# Altium PCB EBAZ4205.PcbDoc (part 5 of 6) (continued)
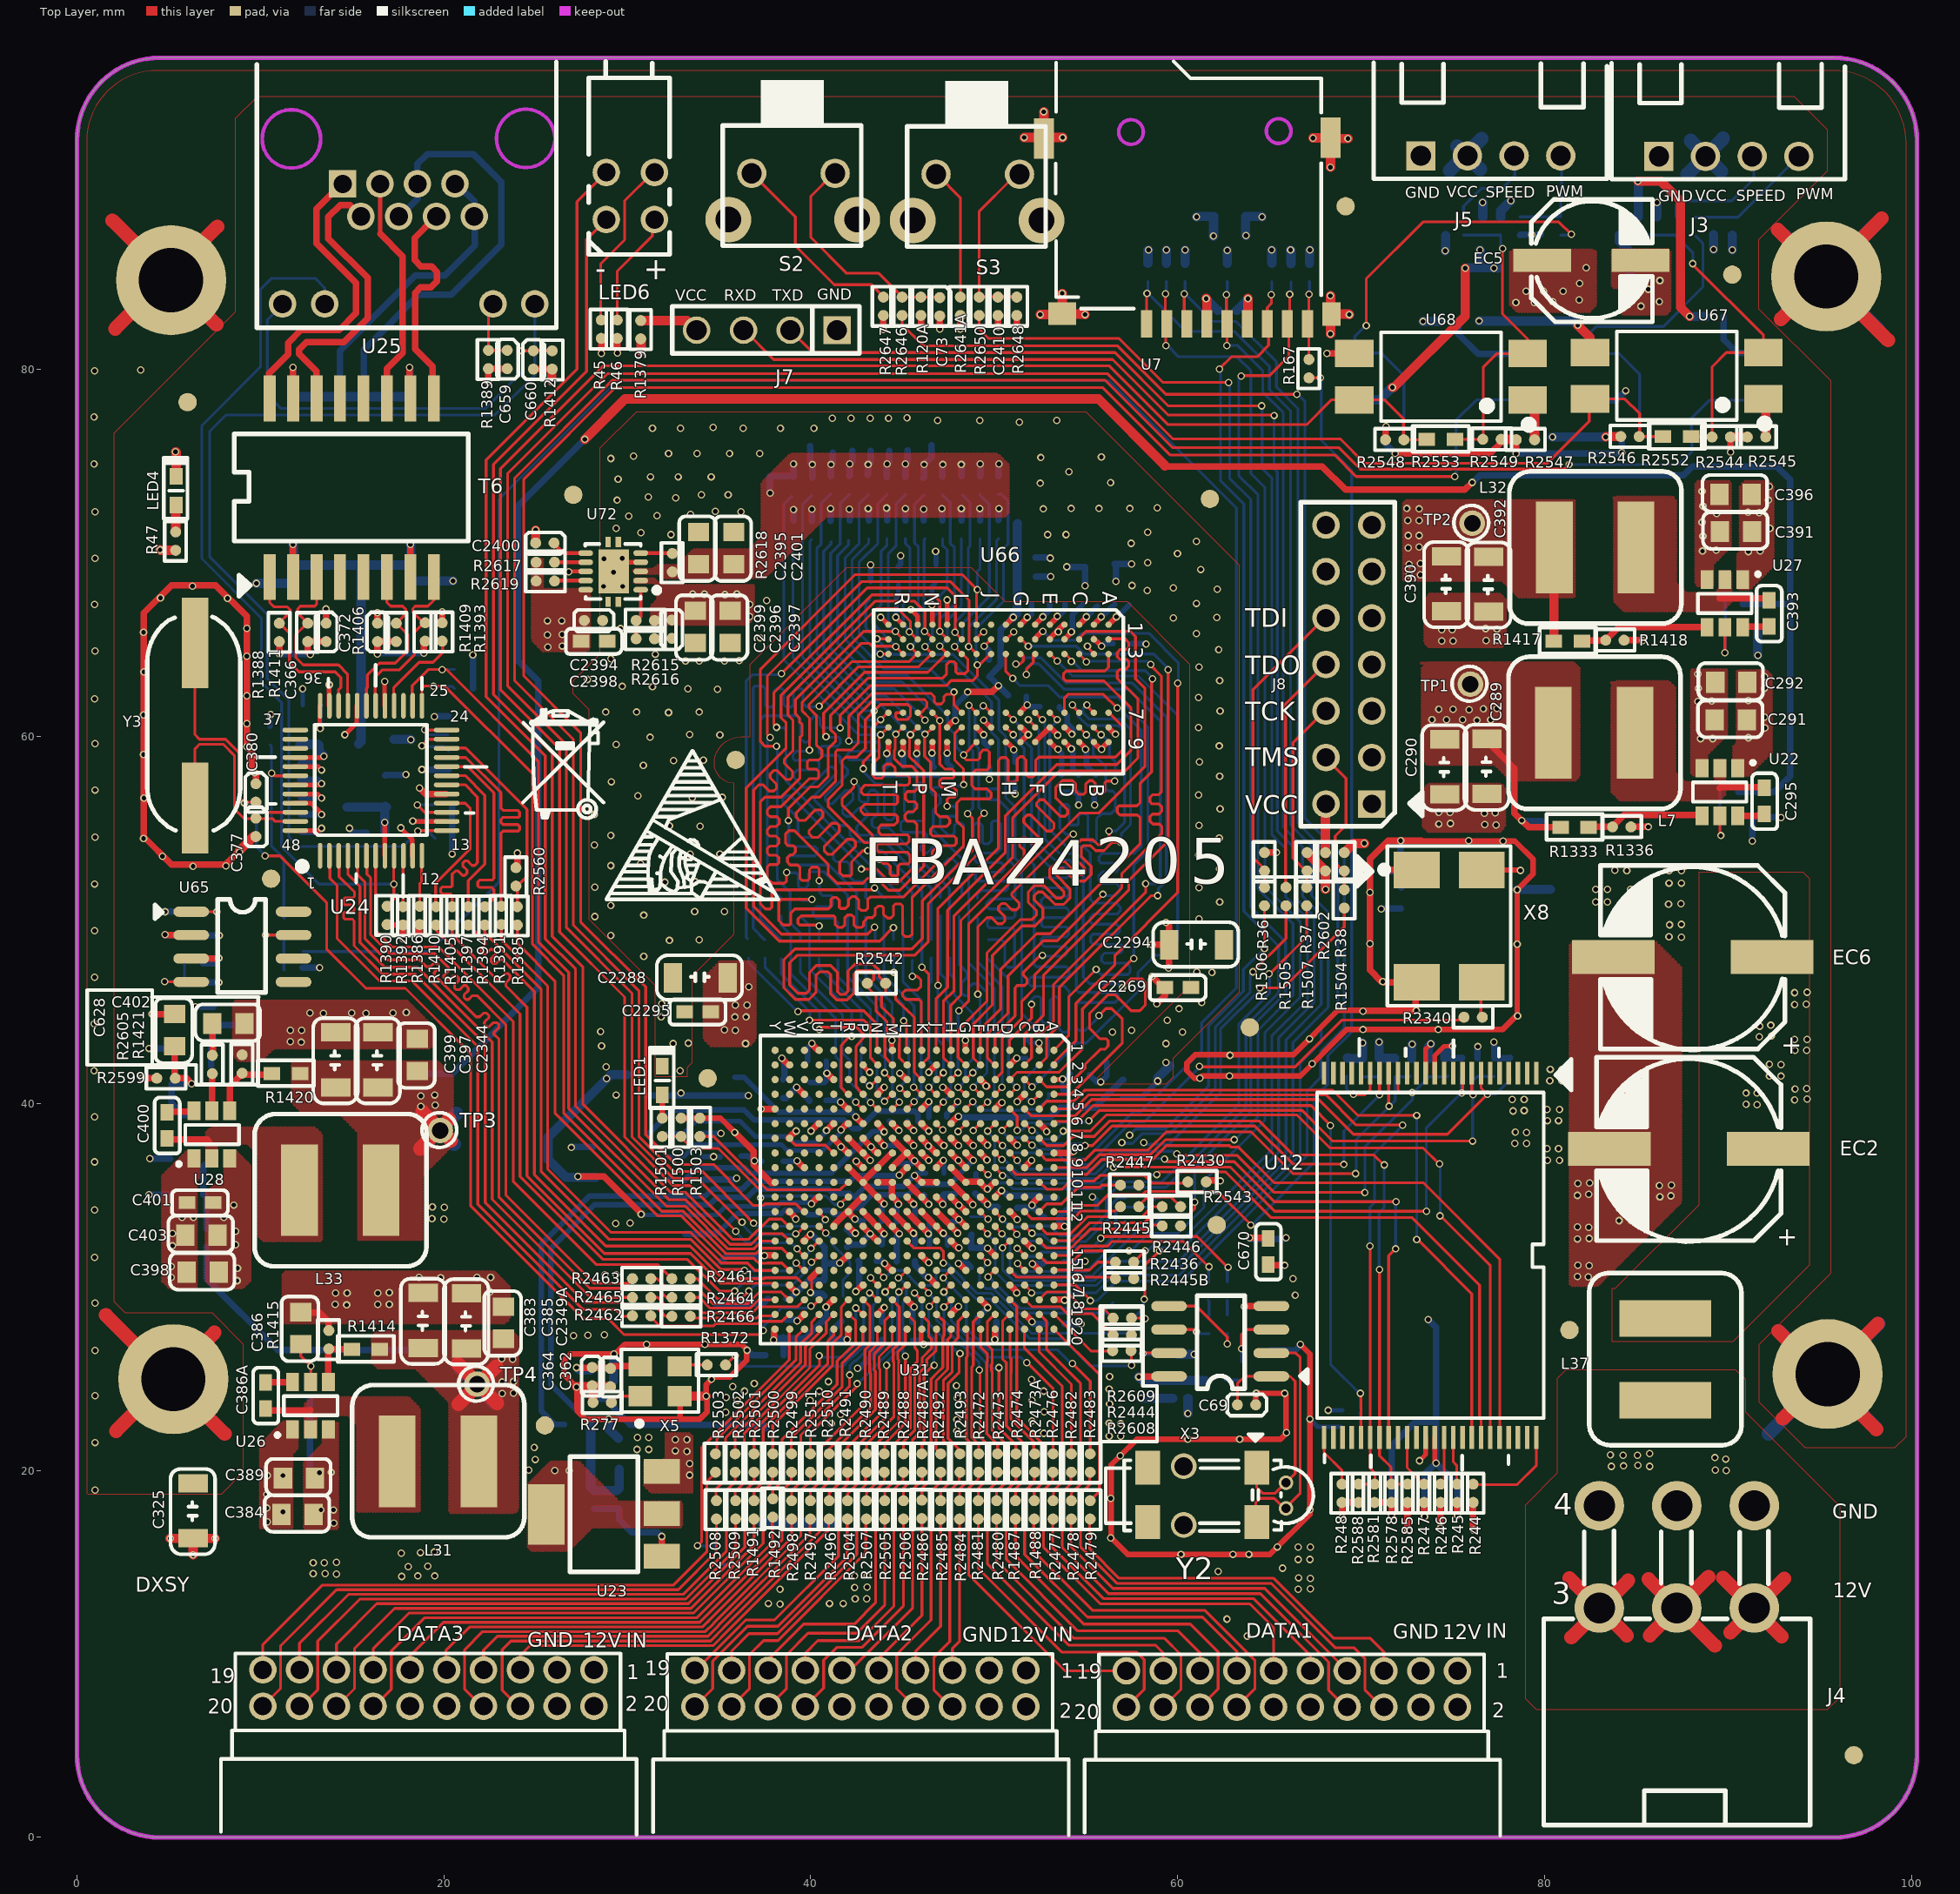
[diagram p0: Top Layer view]
## Nets (pads, with @x,y where several pads share a name; then routed paths per layer and width w, separated by ;. In a path a pad name is that pad's centre, name@x,y a point inside that pad or via, vN(x,y) a via of type N, cw(c..) or ccw(c..) an arc to the next point about the centre after c; other vN are vias at no path point) (continued)
  Bottom Layer w0.356: R1373.1@7.056,32.181 7.056,30.456 10.956,26.556 18.781,26.556 C2358.1@18.881,26.456 ; C2334.2@41.97,33.146 42.195,32.921 v1@42.395,32.921 ; C2326.1@43.881,32.331 43.881,32.731 v1@44.006,32.856 ; v1@45.569,32.996 45.669,32.896 C2327.1@45.669,32.297
  Bottom Layer w0.762: 20.875,25.573 22.75,23.699 ; 20.9,23.724 22.75,25.573
  other v1: 23.175,24.199 23.799,24.224 23.175,24.824 23.799,24.849 23.15,26.098 23.749,26.073 27.074,27.348 27.848,27.373 28.748,27.398 47.231,32.931 45.599,32.933 48.831,34.481
  other v2: 48.067,33.681
VP1_0: C664.2 C856.2 C856A.2 R2468.2 R2471.2 U23.2 U23.4 U31.L9 | length 32.3
  Top Layer w0.356: v1(44.831,36.106) 45.216,36.491 U31.L9@45.216,36.516
  Bottom Layer w0.305: 25.306,23.256 25.306,32.331 27.931,34.956 34.256,34.956 34.631,35.331 36.256,35.331 36.681,35.756 42.131,35.756 42.456,36.081 44.806,36.081 v1@44.831,36.056 ; 25.306,23.256 26.056,22.506 C856.2@26.581,22.506
  other v1: 26.049,20 26.824,20
XOUT.0_0: R1485.1 U31.U18 | length 50.2
  Top Layer w0.152: v2@10.281,53.506 11.056,53.506 13.606,50.956 13.606,48.431 15.756,46.281 17.906,46.281 21.456,42.731 21.456,34.431 27.606,28.281 28.956,28.281 29.831,27.406 37.181,27.406 v2(37.406,27.631) ; v1@40.056,28.906 40.393,29.242 U31.U18@40.393,29.328
  Bottom Layer w0.152: R1485.1@9.781,55.381 9.781,54.006 v2@10.306,53.481 ; v2(37.406,27.631) 37.406,27.856 38.406,28.856 v1@39.931,28.856
  other v1: 40.006,28.956
  other v2: 10.256,53.506
pads on no net: DATA1.10 DATA2.10 DATA3.10 J8.12 J8.14 R2434.1 R2435.1 R2441.1 R2442.1 R2443.1 R2444.2 R2445B.2 R2446.2 R2447.2 T6.4 T6.5 T6.12 T6.13 U12.1 U12.2 U12.3 U12.4 U12.5 U12.6 U12.10 U12.11 U12.14 U12.15 U12.20 U12.21 U12.22 U12.23 U12.24 U12.26 U12.27 U12.28 U12.33 U12.35 U12.40 U12.45 U12.46 U12.47 U24.1 U24.27 U24.37 U24.38 U24.39 U31.A7 U31.A10 U31.A11 U31.B9 U31.B17 U31.C8 U31.C10 U31.C11 U31.D10 U31.D11 U31.D15 U31.E14 U31.E17 U31.E18 U31.F14 U31.F16 U31.F17 U31.G14 U31.G15 U31.G17 U31.G18 U31.H15 U31.J14 U31.J15 U31.J16 U31.K14 U31.K16 U31.L15 U31.M14 U31.M15 U31.N15 U31.P1 U31.P3 U31.P14 U31.P15 U31.P16 U31.R1 U31.R2 U31.R3 U31.R14 U31.R16 U31.R17 U31.T1 U31.T2 U31.T4 U31.T5 U31.T9 U31.T10 U31.T11 U31.T12 U31.T14 U31.T15 U31.T16 U31.T17 U31.U2 U31.U3 U31.U4 U31.U5 U31.U7 U31.U8 U31.U9 U31.U10 U31.U17 U31.V1 U31.V2 U31.V3 U31.V5 U31.V6 U31.V7 U31.V8 U31.V10 U31.V11 U31.W1 U31.W3 U31.W4 U31.W5 U31.W6 U31.W8 U31.W9 U31.W10 U31.W11 U31.Y1 U31.Y2 U31.Y3 U31.Y4 U31.Y6 U31.Y7 U31.Y8 U31.Y9 U31.Y11 U31.Y12 U31.Y13 U65.5 U65.6 U65.8 U66.J1 U66.J9 U66.L1 U66.L9 U66.M7 Y2.3 Y2.4

## Polygon pours and split planes (outlines as drawn)
GNDA on Top Layer "Top Layer-GNDA" (hatched 90Degree grid 0.152 track 0.178, remove dead copper, shelved, pour order 64): 0.605,18.725 7.878,18.725 9.078,19.925 9.078,26.873 7.379,28.573 2.655,28.573 2.03,29.197 2.03,76.535 8.653,83.159 8.653,93.706 9.853,94.906 93.607,94.906 95.406,93.106 95.406,90.832 91.657,87.083 91.657,83.334 95.581,79.41 95.581,30.747 91.682,26.848 91.682,23.749 94.181,21.249 99.105,21.249 99.705,21.849 99.705,92.356 ccw(c95.756,92.356) 95.756,96.305 4.379,96.305 ccw(c4.379,92.456) 0.53,92.456 0.53,18.775
GND on Top Layer "Top Layer-GND" (hatched 90Degree grid 0.152 track 0.178, remove dead copper, shelved, pour order 62): 31.522,41.469 33.272,41.469 33.272,41.969 33.547,42.244 33.547,46.968 35.821,49.242 35.821,57.465 cw(c35.821,58.54) 34.747,58.54 cw(c36.196,58.54) 36.196,59.99 36.696,59.99 36.696,63.938 41.97,69.212 48.743,69.212 50.593,67.363 57.241,67.363 60.64,63.963 60.64,46.418 55.616,41.394 55.616,41.069 59.39,41.069 59.765,41.444 59.765,42.469 63.364,46.068 63.364,69.337 55.016,77.685 30.473,77.685 28.498,75.71 28.498,64.488 27.024,63.014 27.024,62.364 27.898,61.489 27.898,50.067 31.497,46.468 31.497,41.494
VCC1 on Top Layer "Top Layer-VCC1" (hatched 90Degree grid 0.152 track 0.178, remove dead copper, pour order 60): 30.298,68.887 31.697,68.887 31.922,68.662 37.471,68.662 40.82,72.011 50.568,72.011 50.767,72.211 50.767,74.811 50.168,75.411 38.921,75.411 37.346,73.836 37.346,70.862 36.671,70.187 33.622,70.187 32.772,69.337 31.647,69.337 31.422,69.112 30.348,69.112 30.348,68.887
VCC-DDR on Top Layer "Top Layer-VCC-DDR" (hatched 90Degree grid 0.152 track 0.178, remove dead copper, pour order 58): 30.398,68.587 31.472,68.587 31.822,68.237 36.871,68.237 36.871,66.463 36.521,66.113 31.322,66.113 31.322,67.138 31.647,67.463 31.647,68.212 31.472,68.387 30.398,68.387
VCC on Top Layer "Top Layer-VCC" (hatched 90Degree grid 0.152 track 0.178, remove dead copper, pour order 56): 24.824,69.612 24.824,65.263 25.424,64.663 27.773,64.663 27.948,64.838 27.948,68.037 25.374,68.037 25.374,69.662 24.824,69.662
GND on Top Layer "Top Layer-GND 1" (hatched 90Degree grid 0.152 track 0.178, remove dead copper, pour order 54): 8.653,45.568 18.001,45.568 19.426,44.144 19.426,43.219 19.226,43.019 10.703,43.019 10.028,42.344 8.828,42.344 8.528,42.644 8.528,45.493
VCCA on Top Layer "Top Layer-VCCA" (hatched 90Degree grid 0.152 track 0.178, remove dead copper, pour order 52): 11.827,42.269 19.675,42.269 20.475,41.469 20.475,37.745 18.801,36.071 18.801,32.597 15.352,32.597 15.352,38.42 14.252,39.52 12.277,39.52 11.727,40.07 11.727,42.194
NetU26_2 on Top Layer "Top Layer-NetU26_2" (hatched 90Degree grid 0.152 track 0.178, remove dead copper, pour order 50): 12.452,21.874 13.027,21.874 13.027,23.049 14.752,23.049 15.302,22.499 15.302,17.775 18.676,17.775 18.676,23.374 18.076,23.974 12.802,23.974 12.452,23.624
GND on Top Layer "Top Layer-GND 2" (hatched 90Degree grid 0.152 track 0.178, remove dead copper, pour order 48): 11.353,22.749 10.003,21.399 10.003,16.876 11.727,16.876 11.727,20.925 12.002,21.199 12.002,22.674 11.353,22.674
IN on Top Layer "Top Layer-IN" (hatched 90Degree grid 0.152 track 0.178, remove dead copper, pour order 46): 13.452,22.574 14.202,22.574 14.202,16.826 12.402,16.826 12.402,20.425 13.427,21.449 13.427,22.599
IN on Top Layer "Top Layer-IN 1" (hatched 90Degree grid 0.152 track 0.178, remove dead copper, pour order 44): 7.029,35.246 7.029,30.372 7.429,29.972 9.053,29.972 9.428,30.347 9.428,36.62 8.653,37.395 8.053,37.395 8.053,36.121 7.154,35.221
GND on Top Layer "Top Layer-GND 3" (hatched 90Degree grid 0.152 track 0.178, remove dead copper, pour order 42): 6.029,37.42 4.679,36.071 4.679,30.322 5.079,29.922 6.504,29.922 6.504,35.796 6.654,35.946 6.654,37.42
NetU28_2 on Top Layer "Top Layer-NetU28_2" (hatched 90Degree grid 0.152 track 0.178, remove dead copper, pour order 40): 10.178,32.522 13.327,32.522 13.327,38.32 12.977,38.67 7.329,38.67 7.054,38.395 7.054,36.595 7.604,36.595 7.604,37.845 9.303,37.845 9.903,37.245 9.903,32.796
GND on Top Layer "Top Layer-GND 4" (hatched 90Degree grid 0.152 track 0.178, remove dead copper, pour order 38): 11.378,30.822 22.75,30.822 23.574,29.997 23.574,28.298 23.325,28.048 11.228,28.048 11.228,30.647
VCCP on Top Layer "Top Layer-VCCP" (hatched 90Degree grid 0.152 track 0.178, remove dead copper, pour order 36): 16.326,27.573 23.699,27.573 24.024,27.248 24.024,17.875 23.849,17.7 20.325,17.7 20.325,23.724 18.676,25.373 18.451,25.598 16.401,25.598 16.101,25.898 16.101,27.298 16.326,27.523
VP1_0 on Top Layer "Top Layer-VP1_0" (hatched 90Degree grid 0.152 track 0.178, remove dead copper, pour order 34): 27.373,20.45 29.548,18.275 32.972,18.275 32.972,16.926 28.073,16.926 26.799,15.651 24.799,15.651 24.599,15.851 24.599,19.225 25.849,20.475 27.398,20.475
VCC on Top Layer "Top Layer-VCC 1" (hatched 90Degree grid 0.152 track 0.178, remove dead copper, pour order 32): 32.097,21.999 33.372,21.999 33.522,21.849 33.522,18.825 31.297,18.825 30.948,19.175 30.948,20.45 31.847,20.45 32.122,20.725 32.122,21.949
NetL37_1 on Top Layer "Top Layer-NetL37_1" (hatched 90Degree grid 0.152 track 0.178, remove dead copper, shelved, pour order 30): 81.21,25.498 90.407,25.498 90.932,24.973 90.932,23.199 96.081,18.05 96.081,7.628 95.406,6.953 79.56,6.953 78.96,7.553 78.96,18.125 80.71,19.875 80.71,25.023 81.21,25.523
VCC8 on Top Layer "Top Layer-VCC8" (hatched 90Degree grid 0.152 track 0.178, remove dead copper, pour order 28): 78.135,86.358 78.135,83.558 78.535,83.159 82.409,83.159 82.784,83.533 82.784,86.408 82.659,86.533 78.21,86.533
VCC-DDR on Top Layer "Top Layer-VCC-DDR 1" (hatched 90Degree grid 0.152 track 0.178, remove dead copper, pour order 26): 34.172,46.843 35.072,47.743 36.771,47.743 36.971,47.543 36.971,43.494 36.621,43.144 34.572,43.144 34.197,43.519 34.197,46.843
GND3 on Top Layer "Top Layer-GND3" (hatched 90Degree grid 0.152 track 0.178, remove dead copper, pour order 24): 83.659,86.558 86.833,86.558 86.833,83.234 86.633,83.034 84.259,83.034 84.259,84.383 84.159,84.483 83.684,84.483 83.684,86.533
GND on Top Layer "Top Layer-GND 5" (hatched 90Degree grid 0.152 track 0.178, remove dead copper, pour order 22): 90.832,73.911 92.207,73.911 92.457,73.661 92.457,69.312 91.182,68.037 90.532,68.037 90.532,69.937 90.657,70.062 90.657,73.636 90.882,73.861
IN on Top Layer "Top Layer-IN 2" (hatched 90Degree grid 0.152 track 0.178, remove dead copper, pour order 20): 88.233,73.911 90.132,73.911 90.132,70.362 89.158,69.387 89.158,68.212 88.383,68.212 88.258,68.337 88.258,73.886
NetU27_2 on Top Layer "Top Layer-NetU27_2" (hatched 90Degree grid 0.152 track 0.178, remove dead copper, pour order 18): 83.784,73.061 86.958,73.061 87.133,72.886 87.133,68.387 87.708,67.813 89.308,67.813 89.583,68.087 89.583,69.012 90.157,69.012 90.157,67.338 89.683,66.863 84.334,66.863 83.809,67.388 83.809,72.936
VCC-DDR on Top Layer "Top Layer-VCC-DDR 2" (hatched 90Degree grid 0.152 track 0.178, remove dead copper, pour order 16): 72.462,72.861 81.61,72.861 81.61,67.613 78.61,67.613 77.711,68.512 72.312,68.512 72.312,72.711
GND on Top Layer "Top Layer-GND 6" (hatched 90Degree grid 0.152 track 0.178, remove dead copper, pour order 14): 73.637,67.763 77.561,67.763 77.861,67.463 77.861,65.113 77.661,64.913 73.687,64.913 73.487,65.113 73.487,67.463 73.662,67.638
VCC on Top Layer "Top Layer-VCC 2" (hatched 90Degree grid 0.152 track 0.178, remove dead copper, pour order 12): 73.612,64.013 81.585,64.013 81.885,63.714 81.885,57.865 81.66,57.64 78.135,57.64 77.286,58.49 73.612,58.49 73.337,58.765 73.337,63.714 73.612,63.988
NetU22_2 on Top Layer "Top Layer-NetU22_2" (hatched 90Degree grid 0.152 track 0.178, remove dead copper, pour order 10): 83.859,63.014 86.758,63.014 87.108,62.664 87.108,58.04 87.658,57.49 89.308,57.49 89.308,58.715 89.832,58.715 89.832,56.865 89.508,56.54 84.134,56.54 83.659,57.015 83.659,62.739 83.859,62.939
IN on Top Layer "Top Layer-IN 3" (hatched 90Degree grid 0.152 track 0.178, remove dead copper, pour order 8): 87.983,63.639 89.907,63.639 89.907,60.089 88.833,59.015 88.833,57.89 88.158,57.89 88.008,58.04 88.008,63.539
GND on Top Layer "Top Layer-GND 7" (hatched 90Degree grid 0.152 track 0.178, remove dead copper, pour order 6): 90.582,63.589 92.082,63.589 92.357,63.314 92.357,59.14 91.107,57.89 90.307,57.89 90.307,59.44 90.507,59.64 90.507,63.589
GND on Top Layer "Top Layer-GND 8" (hatched 90Degree grid 0.152 track 0.178, remove dead copper, pour order 4): 73.612,57.415 77.611,57.415 77.836,57.19 77.836,55.116 77.561,54.841 73.662,54.841 73.387,55.116 73.387,57.115 73.662,57.39
GND3 on Top Layer "Top Layer-GND3 1" (hatched 90Degree grid 0.152 track 0.178, remove dead copper, pour order 2): 81.385,48.767 86.083,48.767 87.433,47.418 87.433,34.646 82.859,30.072 81.385,30.072
VCC8 on Top Layer "Top Layer-VCC8 1" (hatched 90Degree grid 0.152 track 0.178, remove dead copper, shelved, pour order 0): 83.659,29.897 83.659,27.048 90.282,27.048 94.456,31.222 94.456,52.241 94.106,52.591 88.408,52.591 88.408,34.471 83.834,29.897
GND3 on MidLayer1 "MidLayer1-GND3" (hatched 90Degree grid 0.152 track 0.178, remove dead copper, shelved, pour order 70): 70.237,96.005 70.237,89.582 81.21,78.61 89.932,78.61 93.507,75.036 93.507,46.143 93.157,46.143 80.06,33.046 80.06,0.555 95.956,0.555 ccw(c95.956,4.179) 99.58,4.179 99.58,93.406 98.305,95.255 97.056,96.08 95.656,96.43
GNDA on MidLayer1 "MidLayer1-GNDA" (hatched 90Degree grid 0.152 track 0.178, remove dead copper, shelved, pour order 68): 8.603,95.755 8.603,81.834 2.005,75.236 2.005,29.347 2.655,28.698 8.503,28.698 9.053,28.148 9.053,19.15 8.653,18.75 0.53,18.75 0.53,93.281 1.655,95.006 3.605,95.955 7.054,96.33 8.503,96.305 8.603,95.78
GND on MidLayer1 "MidLayer1-GND" (hatched 90Degree grid 0.127 track 0.152, remove dead copper, shelved, pour order 66): 9.528,96.355 33.372,96.355 56.166,93.956 59.115,93.956 63.889,95.555 69.863,96.155 69.913,89.357 81.035,78.21 89.658,78.16 93.082,74.786 93.157,46.693 79.56,33.346 79.685,0.555 4.604,0.58 1.88,3.354 1.955,17.225 2.305,17.5 8.803,17.55 10.128,18.925 10.128,28.448 9.178,29.397 3.305,29.397 2.955,29.847 2.805,74.711 9.278,81.159 9.303,95.98 9.553,96.355
NetL37_1 on MidLayer2 "MidLayer2-NetL37_1" (hatched 90Degree grid 0.152 track 0.178, remove dead copper, shelved, pour order 90): 79.485,6.878 94.181,6.878 94.856,7.553 94.856,19.45 92.282,22.024 84.159,22.024 78.86,16.726 78.86,7.603 79.56,6.903
VCC8 on MidLayer2 "MidLayer2-VCC8" (hatched 90Degree grid 0.152 track 0.178, remove dead copper, shelved, pour order 88): 79.96,89.607 99.305,89.607 99.305,38.12 98.055,36.87 90.807,36.87 90.532,37.145 90.532,43.669 93.657,46.793 93.657,74.161 92.507,75.311 83.184,75.311 78.285,80.209 78.285,87.982 79.885,89.582
IN on MidLayer2 "MidLayer2-IN" (hatched 90Degree grid 0.152 track 0.178, remove dead copper, shelved, pour order 86): 81.085,74.136 92.607,74.136 92.982,73.761 92.982,47.093 89.907,44.019 89.907,29.172 78.235,17.5 78.235,12.352 76.311,10.427 9.128,10.427 9.128,27.298 7.104,29.322 3.954,29.322 2.88,30.397 2.88,45.443 6.929,45.443 6.929,36.396 12.527,30.797 12.527,21.799 18.376,15.951 63.864,15.951 79.435,31.522 79.435,47.793 81.085,49.442
GNDA on MidLayer2 "MidLayer2-GNDA" (hatched 90Degree grid 0.152 track 0.178, remove dead copper, shelved, pour order 84): 93.856,29.072 99.28,29.072 99.28,4.004 96.031,0.755 3.68,0.755 1.78,1.804 0.555,3.879 0.53,89.732 1.855,93.906 3.904,95.605 6.154,96.105 8.553,96.08 8.478,82.784 1.88,76.285 1.905,29.197 2.755,28.323 6.454,28.348 8.353,26.498 8.178,5.179 8.728,4.679 93.806,4.854 95.906,6.978 95.906,19.575 91.682,23.849 91.632,26.998
VCCO on MidLayer2 "MidLayer2-VCCO" (hatched 90Degree grid 0.127 track 0.152, remove dead copper, shelved, pour order 82): 44.744,21.524 53.717,21.524 54.192,21.999 54.192,26.698 52.042,28.847 50.343,28.847 48.668,30.522 48.668,31.997 48.493,32.172 47.718,32.172 47.093,31.547 43.644,31.547 43.644,30.247 44.669,29.222 44.669,21.549
VCCE on MidLayer2 "MidLayer2-VCCE" (hatched 90Degree grid 0.127 track 0.152, remove dead copper, shelved, pour order 80): 35.296,21.449 44.244,21.449 44.244,29.022 43.294,29.972 39.045,29.972 34.822,25.748 34.822,21.999
VCCA on MidLayer2 "MidLayer2-VCCA" (hatched 90Degree grid 0.127 track 0.152, remove dead copper, shelved, pour order 78): 18.776,41.344 20.225,41.344 20.625,40.944 20.625,40.12 26.099,34.646 36.121,34.646 37.596,36.121 45.144,36.121 45.969,36.945 49.518,36.945 49.518,36.546 47.318,34.346 43.844,34.346 43.494,34.696 38.696,34.696 35.696,31.697 25.024,31.697 18.401,38.32 18.401,40.869 18.776,41.244
VCCP on MidLayer2 "MidLayer2-VCCP" (hatched 90Degree grid 0.127 track 0.152, remove dead copper, shelved, pour order 76): 21.1,23.224 34.322,23.224 34.322,25.898 38.796,30.372 43.344,30.372 43.344,31.822 43.469,31.947 46.818,31.947 47.543,32.672 49.268,32.672 51.517,34.921 51.517,36.695 50.817,37.395 50.817,38.245 45.969,38.245 45.769,38.045 36.096,38.045 35.096,37.045 28.573,37.045 28.573,37.395 22.45,43.519 17.801,43.519 16.176,41.894 16.176,34.821 20.75,30.247 20.75,23.724 21.125,23.224
VCC-DDR on MidLayer2 "MidLayer2-VCC-DDR" (hatched 90Degree grid 0.127 track 0.152, remove dead copper, shelved, pour order 74): 33.197,76.135 70.712,76.135 73.462,73.386 73.462,64.938 62.864,54.341 62.864,46.843 55.716,39.695 33.047,39.695 32.497,40.245 32.497,75.286 33.172,76.135
VCC on MidLayer2 "MidLayer2-VCC" (hatched 90Degree grid 0.127 track 0.152, remove dead copper, shelved, pour order 72): 9.678,95.93 92.782,96.28 96.206,95.705 98.43,94.431 99.405,92.856 99.405,91.481 99.005,90.057 79.685,90.007 77.486,87.882 77.486,80.134 80.66,77.035 80.635,49.692 78.885,48.093 78.985,31.847 63.514,16.426 18.976,16.351 12.927,22.349 12.927,31.172 7.404,36.67 7.429,45.468 6.929,45.918 2.805,45.968 2.855,76.01 9.453,82.784 9.453,95.905 9.703,95.93
REGOUT.0 on Bottom Layer "Bottom Layer-REGOUT.0" (hatched 90Degree grid 0.152 track 0.178, remove dead copper, pour order 194): 14.302,60.664 15.826,60.664 16.026,60.464 16.026,59.19 15.302,58.465 15.302,57.44 13.952,57.44 13.952,60.289 14.327,60.664
NetJ5_2 on Bottom Layer "Bottom Layer-NetJ5_2" (hatched 90Degree grid 0.152 track 0.178, remove dead copper, pour order 192): 70.437,95.131 76.236,95.131 76.886,94.481 76.886,90.832 76.436,90.382 74.861,90.382 74.561,90.682 74.561,92.656 74.137,93.081 72.087,93.081 71.737,92.731 71.737,90.207 72.137,89.807 74.461,89.807 74.886,89.382 74.886,87.832 71.287,87.832 70.088,89.032 70.088,94.656 70.412,94.981
NetJ3_2 on Bottom Layer "Bottom Layer-NetJ3_2" (hatched 90Degree grid 0.152 track 0.178, remove dead copper, pour order 190): 82.134,87.982 84.284,87.982 84.284,92.856 84.559,93.131 87.133,93.131 87.433,92.831 87.433,90.232 89.608,90.232 89.957,90.582 89.957,94.606 88.908,95.655 82.959,95.655 82.034,94.731 82.034,87.982
GND3 on Bottom Layer "Bottom Layer-GND3" (hatched 90Degree grid 0.152 track 0.178, remove dead copper, pour order 188): 84.359,85.658 86.358,85.658 86.633,85.383 86.633,83.384 86.308,83.059 84.459,83.059 84.259,83.259 84.259,85.433 84.384,85.558
GNDA on Bottom Layer "Bottom Layer-GNDA" (hatched 90Degree grid 0.152 track 0.178, remove dead copper, shelved, pour order 186): 91.232,21.224 99.405,21.224 99.73,21.549 99.73,87.907 98.405,89.232 93.332,89.232 91.682,87.582 91.682,83.309 95.681,79.31 95.681,39.495 94.981,38.795 89.708,38.795 89.308,38.395 89.308,23.024 91.107,21.224
NetU31_H6 on Bottom Layer "Bottom Layer-NetU31_H6" (hatched 90Degree grid 0.152 track 0.178, remove dead copper, pour order 184): 56.716,42.544 58.266,42.544 58.266,41.244 58.116,41.094 56.666,41.094 56.666,42.469
VCC-DDR on Bottom Layer "Bottom Layer-VCC-DDR" (hatched 90Degree grid 0.152 track 0.178, remove dead copper, pour order 182): 56.491,44.194 58.416,44.194 58.416,43.244 58.141,42.969 55.866,42.969 55.866,43.469 56.516,44.119
VCC-DATA1 on Bottom Layer "Bottom Layer-VCC-DATA1" (hatched 90Degree grid 0.152 track 0.178, remove dead copper, pour order 180): 72.337,16.126 78.285,16.126 78.51,15.901 78.51,5.953 74.361,5.953 74.361,10.152 72.237,12.277 72.237,16.051
VCC-DATA2 on Bottom Layer "Bottom Layer-VCC-DATA2" (hatched 90Degree grid 0.152 track 0.178, remove dead copper, pour order 178): 51.267,16.851 54.866,16.851 55.366,16.351 55.366,6.028 55.166,5.828 50.992,5.828 50.717,6.103 50.717,16.276 51.267,16.826
VCC-DATA3 on Bottom Layer "Bottom Layer-VCC-DATA3" (hatched 90Degree grid 0.152 track 0.178, remove dead copper, pour order 176): 27.848,15.901 31.148,15.901 31.872,15.176 31.872,6.053 31.697,5.878 27.348,5.878 27.348,15.626 27.873,15.626
VCCP on Bottom Layer "Bottom Layer-VCCP" (hatched 90Degree grid 0.152 track 0.178, remove dead copper, pour order 174): 18.401,27.498 24.624,27.498 24.624,22.074 24.474,21.924 19.625,21.924 17.951,23.599 17.951,27.123 18.351,27.523
VCCP on Bottom Layer "Bottom Layer-VCCP 1" (hatched 90Degree grid 0.152 track 0.178, remove dead copper, pour order 172): 26.774,28.398 26.774,26.998 29.173,26.998 29.848,27.673 36.846,27.673 36.946,27.773 36.946,28.273 30.898,28.273 30.648,28.523 26.699,28.523
GND on Bottom Layer "Bottom Layer-GND" (hatched 90Degree grid 0.152 track 0.178, remove dead copper, pour order 170): 26.824,29.147 30.798,29.147 30.998,28.947 35.121,28.947 35.121,30.147 35.496,30.522 35.496,31.822 34.322,31.822 33.747,31.247 30.748,31.247 30.523,31.472 27.373,31.472 26.674,30.772 26.674,29.347 26.874,29.147
VCCA on Bottom Layer "Bottom Layer-VCCA" (hatched 90Degree grid 0.152 track 0.178, remove dead copper, pour order 168): 29.023,33.596 29.023,31.997 30.773,31.997 31.148,31.622 33.497,31.622 33.497,32.097 32.197,32.097 31.997,32.297 31.997,33.346 30.548,33.346 30.148,33.746 29.248,33.746 29.048,33.546
GND on Bottom Layer "Bottom Layer-GND 1" (hatched 90Degree grid 0.152 track 0.178, remove dead copper, pour order 166): 38.021,16.076 40.145,16.076 40.145,11.152 39.895,10.902 37.771,10.902 37.571,11.102 37.571,15.451 38.071,15.951
IN on Bottom Layer "Bottom Layer-IN" (hatched 90Degree grid 0.152 track 0.178, remove dead copper, pour order 164): 40.82,16.026 40.82,11.052 41.145,10.727 46.419,10.727 47.418,11.727 47.418,15.726 46.968,16.176 40.995,16.176
GND on Bottom Layer "Bottom Layer-GND 2" (hatched 90Degree grid 0.152 track 0.178, remove dead copper, pour order 162): 38.871,25.198 41.195,25.198 41.945,24.449 41.945,19.65 41.57,19.275 39.12,19.275 38.746,19.65 38.746,25.123
VCCE on Bottom Layer "Bottom Layer-VCCE" (hatched 90Degree grid 0.152 track 0.178, remove dead copper, pour order 160): 35.671,24.923 38.221,24.923 38.221,19.175 38.046,19 35.271,19 35.022,19.25 35.022,24.249 35.696,24.923
VCC on Bottom Layer "Bottom Layer-VCC" (hatched 90Degree grid 0.152 track 0.178, remove dead copper, pour order 158): 32.197,21.899 34.497,21.899 34.497,17.5 34.197,17.2 32.022,17.2 32.022,21.674 32.147,21.799
GND on Bottom Layer "Bottom Layer-GND 3" (hatched 90Degree grid 0.152 track 0.178, remove dead copper, pour order 156): 30.248,21.874 31.522,21.874 31.522,17.225 30.423,17.225 30.198,17.45 30.198,21.849
VP1_0 on Bottom Layer "Bottom Layer-VP1_0" (hatched 90Degree grid 0.152 track 0.178, remove dead copper, pour order 154): 25.924,22.949 26.924,22.949 26.924,17.525 25.649,17.525 25.649,22.624 25.899,22.874
GND on Bottom Layer "Bottom Layer-GND 4" (hatched 90Degree grid 0.152 track 0.178, remove dead copper, pour order 152): 19.6,21.449 25.174,21.449 25.174,18.525 24.924,18.275 19.65,18.275 19.376,18.55 19.376,21.149 19.6,21.374
IN on Bottom Layer "Bottom Layer-IN 1" (hatched 90Degree grid 0.152 track 0.178, remove dead copper, pour order 150): 16.626,16.151 23.225,16.151 23.574,15.801 23.574,12.202 23.125,11.752 16.376,11.752 16.126,12.002 16.126,15.626 16.601,16.101
GND on Bottom Layer "Bottom Layer-GND 5" (hatched 90Degree grid 0.152 track 0.178, remove dead copper, pour order 148): 12.302,15.476 15.651,15.476 15.651,11.927 12.052,11.927 11.727,12.252 11.727,14.926 12.252,15.451
GND on Bottom Layer "Bottom Layer-GND 6" (hatched 90Degree grid 0.152 track 0.178, remove dead copper, pour order 146): 9.828,20.775 9.828,16.851 11.453,16.851 11.702,17.1 11.702,20.725 11.503,20.925 10.078,20.925 9.903,20.75
IN on Bottom Layer "Bottom Layer-IN 2" (hatched 90Degree grid 0.152 track 0.178, remove dead copper, pour order 144): 12.452,21.099 14.102,21.099 14.102,16.801 12.377,16.801 12.377,20.999
GND on Bottom Layer "Bottom Layer-GND 7" (hatched 90Degree grid 0.152 track 0.178, remove dead copper, pour order 142): 13.877,30.822 24.649,30.822 24.649,28.373 24.374,28.098 13.852,28.098 13.377,28.573 13.377,30.322 13.852,30.797
GND on Bottom Layer "Bottom Layer-GND 8" (hatched 90Degree grid 0.152 track 0.178, remove dead copper, pour order 140): 16.126,35.871 21.075,35.871 21.45,35.496 21.45,32.447 20.875,31.872 16.351,31.872 16.001,32.222 16.001,35.821
VCCA on Bottom Layer "Bottom Layer-VCCA 1" (hatched 90Degree grid 0.152 track 0.178, remove dead copper, pour order 138): 13.927,42.269 20.65,42.269 21.075,41.844 21.075,37.795 19.625,36.346 14.277,36.346 13.327,37.295 13.327,41.744 13.827,42.244
GND on Bottom Layer "Bottom Layer-GND 9" (hatched 90Degree grid 0.152 track 0.178, remove dead copper, pour order 136): 10.428,45.493 19.525,45.493 19.525,43.369 19.151,42.994 10.453,42.994 10.103,43.344 10.103,45.193 10.378,45.468
VCCB on Bottom Layer "Bottom Layer-VCCB" (hatched 90Degree grid 0.152 track 0.178, remove dead copper, pour order 134): 29.348,38.595 31.522,38.595 31.522,35.646 29.173,35.646 29.173,38.395 29.323,38.545
VCC on Bottom Layer "Bottom Layer-VCC 1" (hatched 90Degree grid 0.152 track 0.178, remove dead copper, pour order 132): 27.923,45.318 29.473,45.318 30.348,44.443 30.348,39.97 28.273,39.97 27.923,40.32
VCC-DDR on Bottom Layer "Bottom Layer-VCC-DDR 1" (hatched 90Degree grid 0.152 track 0.178, remove dead copper, pour order 130): 34.547,43.019 37.071,43.019 37.071,46.218 36.771,46.518 36.271,46.518 34.572,44.818 34.572,43.044
NetU31_P6 on Bottom Layer "Bottom Layer-NetU31_P6" (hatched 90Degree grid 0.152 track 0.178, remove dead copper, pour order 128): 34.272,42.469 34.272,41.419 34.547,41.144 36.421,41.144 36.421,42.369 36.296,42.494 34.297,42.494
GND on Bottom Layer "Bottom Layer-GND 10" (hatched 90Degree grid 0.152 track 0.178, remove dead copper, pour order 126): 47.543,24.973 49.968,24.973 49.968,20.25 49.593,19.875 47.643,19.875 47.393,20.125 47.393,24.799
VCCO on Bottom Layer "Bottom Layer-VCCO" (hatched 90Degree grid 0.152 track 0.178, remove dead copper, pour order 124): 50.892,25.198 53.992,25.198 54.192,24.998 54.192,20.15 53.942,19.9 50.842,19.9 50.618,20.125 50.618,24.923
GND on Bottom Layer "Bottom Layer-GND 11" (hatched 90Degree grid 0.152 track 0.178, remove dead copper, pour order 122): 54.791,25.373 56.266,25.373 56.591,25.048 56.591,23.249 54.691,23.249 54.691,25.273
VCC on Bottom Layer "Bottom Layer-VCC 2" (hatched 90Degree grid 0.152 track 0.178, remove dead copper, pour order 120): 54.666,22.774 54.666,21.599 54.816,21.449 56.891,21.449 57.091,21.649 57.091,22.774
IN on Bottom Layer "Bottom Layer-IN 3" (hatched 90Degree grid 0.152 track 0.178, remove dead copper, pour order 118): 64.764,14.451 64.764,11.702 65.064,11.402 70.562,11.402 70.962,11.802 70.962,15.476 70.612,15.826 66.264,15.826 64.839,14.401
GND on Bottom Layer "Bottom Layer-GND 12" (hatched 90Degree grid 0.152 track 0.178, remove dead copper, pour order 116): 61.74,15.251 61.74,10.702 61.965,10.477 63.939,10.477 64.239,10.777 64.239,15.301 64.014,15.526 62.09,15.526 61.765,15.201
VCC on Bottom Layer "Bottom Layer-VCC 3" (hatched 90Degree grid 0.152 track 0.178, remove dead copper, pour order 114): 64.389,31.697 66.164,31.697 66.588,31.272 66.588,28.598 66.314,28.323 64.439,28.323 64.264,28.498 64.264,31.522
GND3 on Bottom Layer "Bottom Layer-GND3 1" (hatched 90Degree grid 0.152 track 0.178, remove dead copper, pour order 112): 81.31,35.746 88.208,35.746 88.208,28.048 81.51,28.048 81.16,28.398 81.16,35.646
VCC8 on Bottom Layer "Bottom Layer-VCC8" (hatched 90Degree grid 0.152 track 0.178, remove dead copper, pour order 110): 89.383,52.366 94.706,52.366 94.706,39.645 89.258,39.645 89.258,52.341
GND on Bottom Layer "Bottom Layer-GND 13" (hatched 90Degree grid 0.152 track 0.178, remove dead copper, pour order 108): 80.51,43.019 88.258,43.019 88.258,36.446 78.485,36.446 78.11,36.82 78.11,40.694 80.41,42.994
IN on Bottom Layer "Bottom Layer-IN 4" (hatched 90Degree grid 0.152 track 0.178, remove dead copper, pour order 106): 82.059,43.719 88.508,43.719 88.508,52.716 88.233,52.991 83.559,52.991 81.86,51.292 81.86,43.969 82.084,43.744
NetX8_4 on Bottom Layer "Bottom Layer-NetX8_4" (hatched 90Degree grid 0.152 track 0.178, remove dead copper, pour order 104): 78.46,54.291 80.685,54.291 80.685,52.566 80.485,52.366 78.435,52.366 78.435,54.266
IN on Bottom Layer "Bottom Layer-IN 5" (hatched 90Degree grid 0.152 track 0.178, remove dead copper, pour order 102): 88.258,63.739 89.708,63.739 89.932,63.514 89.932,57.915 88.358,57.915 88.083,58.19 88.083,63.539 88.233,63.689
GND on Bottom Layer "Bottom Layer-GND 14" (hatched 90Degree grid 0.152 track 0.178, remove dead copper, pour order 100): 90.557,63.714 92.207,63.714 92.457,63.464 92.457,59.64 92.257,59.44 90.657,59.44 90.382,59.715 90.382,63.489 90.532,63.639
IN on Bottom Layer "Bottom Layer-IN 6" (hatched 90Degree grid 0.152 track 0.178, remove dead copper, pour order 98): 88.258,73.786 90.082,73.786 90.082,68.837 88.508,68.837 88.133,69.212 88.133,73.561 88.258,73.686
GND on Bottom Layer "Bottom Layer-GND 15" (hatched 90Degree grid 0.152 track 0.178, remove dead copper, pour order 96): 90.832,73.861 92.407,73.861 92.407,69.937 92.082,69.612 90.807,69.612 90.657,69.762 90.657,73.686
VCC8 on Bottom Layer "Bottom Layer-VCC8 1" (hatched 90Degree grid 0.152 track 0.178, remove dead copper, pour order 94): 71.887,87.033 71.887,85.183 73.737,83.334 83.509,83.334 83.509,86.633 83.109,87.033 82.134,87.033 79.835,84.733 75.011,84.733 73.862,85.883 73.862,87.033